# KiCad board IMXDesign.kicad_pcb (continued)
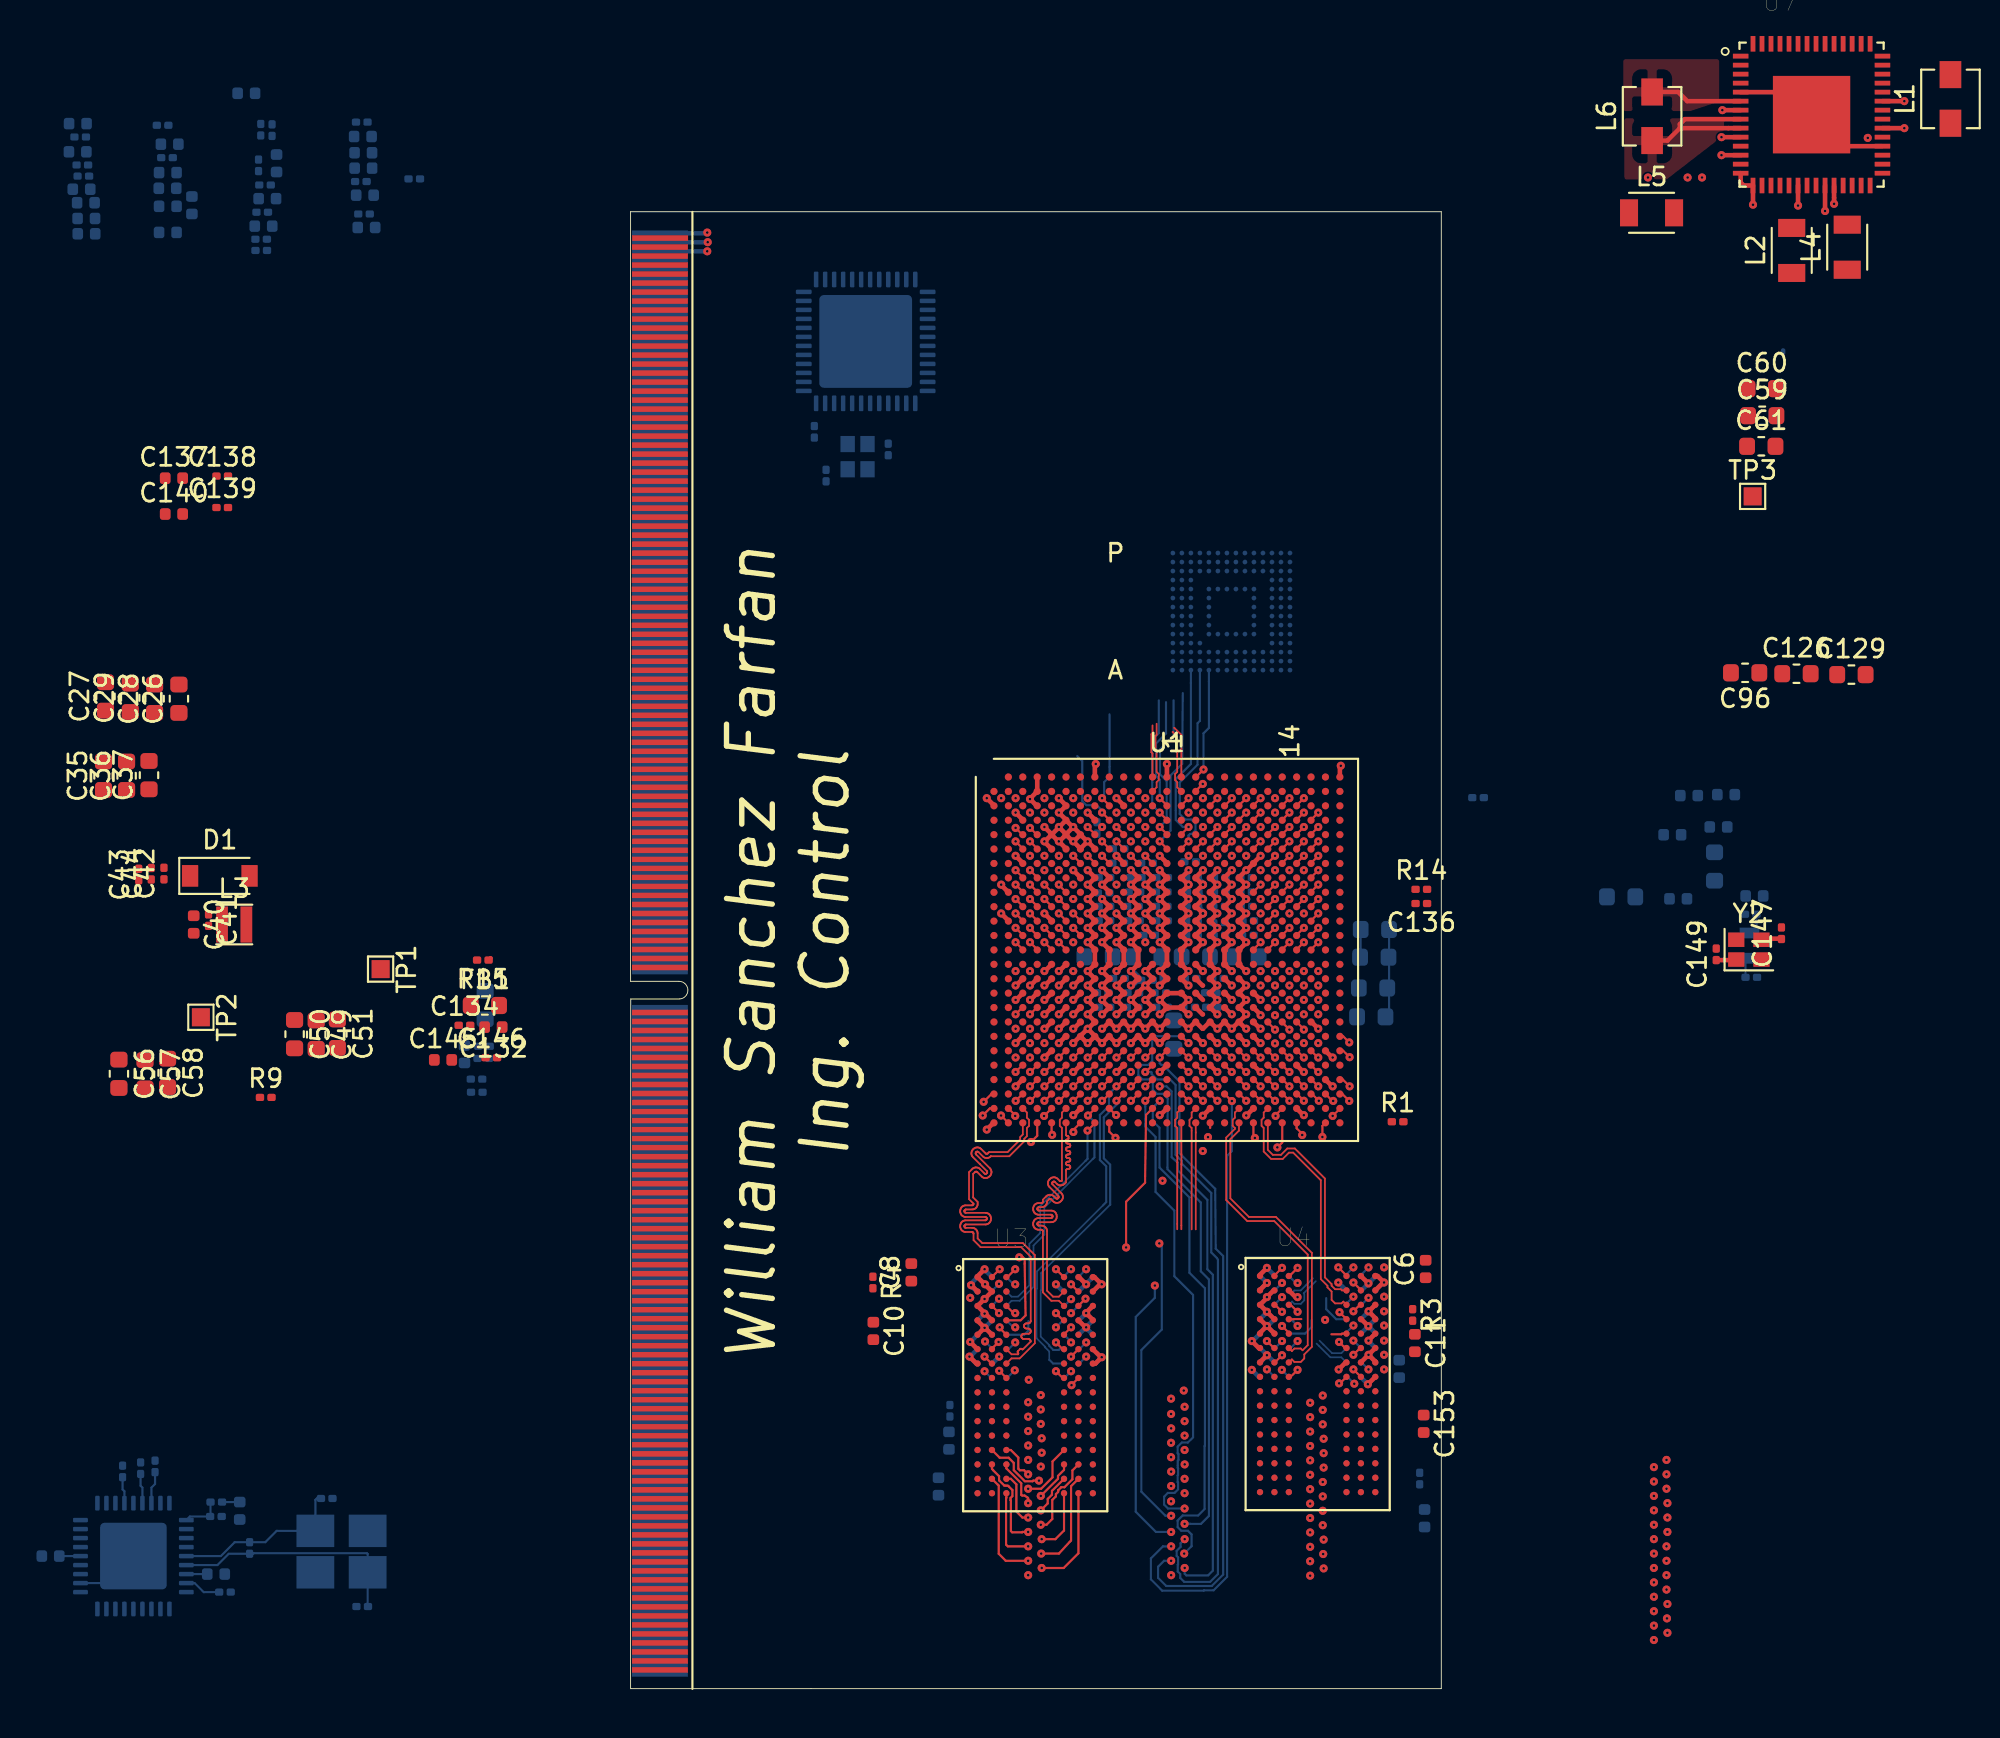
[diagram p0: board, top side]
## Routing (per net, layer and track width the routed paths; a pad name or vN(x,y) marks a point on that pad's centre or on a via; arc(x,y) is an arc through that point) (continued)
/DDR3_Memory/CPU_DDR3/DRAM_D33: length 26.7
  Top w0.119: v1(34.17,34.24) 34.14,34.24 U1.AA18 ; v1(40.12,17.72) 40.53,17.31 U4.H8
  In1.Cu w0.114: 34.82,32.16 35.06,31.92 35.06,31.47 34.98,31.39 34.98,31.24 34.95,31.21 34.38,31.21 33.58,30.41 33.58,29.3 33.02,28.68 33.02,28.45 32.67,28.1 32.67,21.9 33.3,21.28 33.3,19.57 34.32,18.55 34.72,18.55 35.07,18.89 35.08,18.89 36.38,18.89 37.5,17.77 37.52,17.76 37.52,17.74 37.53,17.72 37.53,17.7 37.52,17.68 37.52,17.66 37.49,17.62 37.48,17.61 37.48,17.59 37.48,17.56 37.48,17.54 37.49,17.53 37.5,17.51 37.67,17.34 37.69,17.32 37.71,17.32 37.73,17.31 37.75,17.31 37.77,17.32 37.79,17.32 37.82,17.35 37.84,17.36 37.86,17.36 37.88,17.36 37.9,17.36 37.92,17.35 37.94,17.34 39.73,17.34 v1(40.12,17.72) ; 34.3,33.05 34.32,33.06 33.99,33.06 33.79,33.26 33.79,33.62 34.07,33.91 34.16,33.91 34.17,33.92 v1(34.17,34.24)
  In1.Cu w0.119: 34.3,33.05 34.33,33.05 34.55,32.82 34.55,32.49 34.7,32.34 34.7,32.28 34.82,32.16
/DDR3_Memory/CPU_DDR3/DRAM_D34: length 26.6
  Top w0.114: U4.G2 35.76,18.11 v1(36.16,18.51)
  Top w0.119: U1.AC18 33.8,33.01 v1(34.17,32.64)
  In1.Cu w0.114: v1(34.17,32.64) 34.17,32.4 34.58,31.99 34.58,31.8 34.62,31.76 34.62,31.68 34.65,31.65 34.65,31.54 34.68,31.51 34.68,31.46 34.64,31.42 34.29,31.42 33.06,30.19 33.06,29.08 32.46,28.48 32.46,28.08 32.46,28.08 32.46,24.5 32.33,24.37 32.34,24.36 32.34,23.93 32.39,23.88 32.4,21.3 32.4,21.27 32.41,21.23 32.43,21.21 32.46,21.18 32.48,21.16 32.52,21.15 32.55,21.15 32.85,21.15 32.89,21.15 32.92,21.14 32.95,21.12 32.97,21.09 32.99,21.07 33,21.03 33,21 33,20.97 32.99,20.93 32.97,20.91 32.95,20.88 32.92,20.86 32.89,20.85 32.85,20.85 32.55,20.85 32.52,20.85 32.48,20.84 32.46,20.82 32.43,20.79 32.41,20.77 32.4,20.73 32.4,20.7 32.4,20.67 32.41,20.63 32.43,20.61 32.46,20.58 32.48,20.56 32.52,20.55 32.55,20.55 32.85,20.55 32.89,20.55 32.92,20.54 32.95,20.52 32.97,20.49 32.99,20.47 33,20.43 33,20.4 33,20.37 32.99,20.33 32.97,20.31 32.95,20.28 32.92,20.26 32.89,20.25 32.85,20.25 32.55,20.25 32.52,20.25 32.48,20.24 32.46,20.22 32.43,20.19 32.41,20.17 32.4,20.13 32.4,20.1 32.4,20.07 32.41,20.03 32.43,20.01 32.46,19.98 32.48,19.96 32.52,19.95 32.55,19.95 32.85,19.95 32.89,19.95 32.92,19.94 32.95,19.92 32.97,19.89 32.99,19.87 33,19.83 33,19.8 33,19.77 32.99,19.73 32.97,19.71 32.95,19.68 32.92,19.66 32.89,19.65 32.85,19.65 32.55,19.65 32.52,19.65 32.48,19.64 32.46,19.62 32.43,19.59 32.41,19.57 32.4,19.53 32.4,19.5 32.4,19.3 32.61,19.09 32.62,19.08 32.63,19.06 32.63,19.04 32.63,19.03 32.63,19.01 32.62,18.99 32.6,18.97 32.59,18.95 32.59,18.94 32.59,18.92 32.59,18.9 32.6,18.89 32.61,18.87 32.71,18.77 32.73,18.76 32.74,18.75 32.76,18.75 32.78,18.75 32.79,18.75 32.81,18.76 32.82,18.77 33.16,19.11 33.19,19.13 33.22,19.14 33.25,19.15 33.29,19.15 33.32,19.14 33.35,19.13 33.37,19.11 33.4,19.08 33.41,19.05 33.42,19.02 33.42,18.99 33.41,18.95 33.4,18.92 33.37,18.9 33.05,18.57 33.04,18.57 33.04,18.55 33.04,18.54 33.04,18.53 33.04,18.52 33.04,18.51 33.05,18.5 33.19,18.36 33.2,18.36 33.21,18.35 33.22,18.35 33.23,18.35 33.24,18.35 33.25,18.36 33.26,18.36 33.59,18.68 33.61,18.71 33.64,18.72 33.68,18.73 33.71,18.73 33.74,18.72 33.77,18.71 33.8,18.68 33.82,18.66 33.83,18.63 33.84,18.6 33.84,18.56 33.83,18.53 33.82,18.5 33.8,18.47 33.62,18.29 33.6,18.27 33.58,18.24 33.58,18.2 33.58,18.17 33.58,18.14 33.6,18.11 33.62,18.08 34.77,18.08 34.94,17.91 34.94,17.54 35.14,17.34 35.5,17.34 35.78,17.62 35.78,18.13 v1(36.16,18.51)
/DDR3_Memory/CPU_DDR3/DRAM_D35: length 25.2
  Top w0.119: U4.F8 40.49,18.91 v1(40.12,18.54) ; U1.AE19 34.57,30.66 v1(34.65,30.57)
  In1.Cu w0.114: v1(34.65,30.57) 34.43,30.35 34.43,29 33.6,28.18 33.6,27.9 33.62,27.88 33.6,22.72 33.6,22.7 33.59,22.69 33.58,22.67 33.57,22.66 33.56,22.65 33.54,22.65 33.51,22.64 33.49,22.64 33.48,22.63 33.47,22.62 33.46,22.6 33.45,22.59 33.45,22.57 33.45,22.49 33.45,22.48 33.46,22.46 33.47,22.45 33.48,22.43 33.49,22.43 33.51,22.42 33.53,22.42 33.84,22.42 33.86,22.42 33.89,22.41 33.91,22.39 33.93,22.37 33.94,22.35 33.95,22.33 33.95,22.3 33.95,22.28 33.94,22.25 33.93,22.23 33.91,22.21 33.89,22.2 33.86,22.19 33.84,22.19 33.71,22.19 33.69,22.19 33.66,22.18 33.64,22.16 33.62,22.15 33.61,22.12 33.6,22.1 33.6,22.07 34.17,21.5 34.17,21.33 34.17,21.31 34.17,21.3 34.16,21.28 34.15,21.27 34.13,21.26 34.12,21.26 34.08,21.25 34.07,21.25 34.05,21.24 34.04,21.23 34.03,21.21 34.03,21.2 34.03,21.18 34.03,21.1 34.03,21.08 34.03,21.07 34.04,21.05 34.05,21.04 34.07,21.03 34.08,21.03 34.1,21.03 34.28,21.03 34.3,21.02 34.32,21.02 34.34,21 34.35,20.99 34.37,20.97 34.37,20.95 34.38,20.93 34.38,20.9 34.37,20.87 34.37,20.85 34.35,20.83 34.34,20.82 34.32,20.81 34.3,20.8 34.25,20.79 34.23,20.79 34.21,20.77 34.2,20.76 34.18,20.74 34.18,20.72 34.17,20.7 34.18,20.67 34.19,20.65 34.2,20.63 34.22,20.61 34.24,20.59 34.26,20.59 34.29,20.58 34.41,20.58 34.44,20.58 34.46,20.57 34.48,20.56 34.5,20.54 34.51,20.52 34.52,20.49 34.53,20.47 34.52,20.44 34.51,20.42 34.5,20.4 34.48,20.38 34.46,20.36 34.44,20.36 34.41,20.35 34.12,20.35 34.11,20.35 34.1,20.35 34.09,20.34 34.09,20.33 34.08,20.33 34.08,20.31 34.08,20.3 34.08,20.18 34.08,20.16 34.08,20.15 34.09,20.14 34.09,20.14 34.1,20.13 34.11,20.13 34.14,20.12 34.15,20.12 34.16,20.11 34.16,20.11 34.17,20.1 34.17,20.09 34.17,20.07 34.49,19.76 35.5,19.75 35.51,19.75 35.52,19.76 35.53,19.76 35.54,19.77 35.54,19.78 35.55,19.79 35.55,19.81 35.55,19.82 35.56,19.83 35.57,19.84 35.58,19.85 35.59,19.85 35.6,19.85 35.73,19.85 35.74,19.85 35.75,19.85 35.76,19.84 35.76,19.83 35.77,19.82 35.77,19.81 35.78,19.79 35.78,19.78 35.79,19.77 35.79,19.76 35.8,19.76 35.81,19.75 35.83,19.75 36.27,19.75 36.64,19.38 36.64,19.12 36.95,18.81 36.96,18.8 36.96,18.79 36.96,18.78 36.96,18.76 36.96,18.75 36.96,18.74 36.94,18.73 36.94,18.72 36.93,18.71 36.93,18.69 36.94,18.68 36.94,18.67 36.95,18.66 37.04,18.57 37.05,18.57 37.06,18.56 37.07,18.56 37.08,18.56 37.09,18.56 37.1,18.57 37.11,18.57 37.31,18.78 37.33,18.79 37.36,18.8 37.38,18.81 37.41,18.81 37.43,18.8 37.45,18.79 37.47,18.78 37.49,18.76 37.5,18.73 37.51,18.71 37.51,18.68 37.5,18.66 37.49,18.63 37.47,18.61 37.39,18.53 37.37,18.51 37.36,18.48 37.36,18.46 37.36,18.43 37.36,18.41 37.37,18.39 37.39,18.37 37.53,18.22 37.7,18.22 37.73,18.23 37.75,18.24 37.77,18.25 37.79,18.27 37.81,18.29 37.81,18.31 37.82,18.34 37.82,18.46 37.82,18.49 37.83,18.51 37.84,18.53 37.86,18.55 37.88,18.56 37.91,18.57 37.93,18.57 37.96,18.57 37.98,18.56 38,18.55 38.02,18.53 38.03,18.51 38.04,18.49 38.05,18.46 38.05,17.99 38.05,17.96 38.06,17.94 38.07,17.92 38.09,17.9 38.11,17.89 38.14,17.88 38.16,17.88 38.19,17.88 38.21,17.89 38.23,17.9 38.25,17.92 38.26,17.94 38.27,17.96 38.27,17.99 38.27,18.46 38.28,18.49 38.29,18.51 38.3,18.53 38.32,18.55 38.34,18.56 38.36,18.57 38.39,18.57 38.41,18.57 38.44,18.56 38.46,18.55 38.48,18.53 38.49,18.51 38.5,18.49 38.5,18.46 38.5,17.99 38.51,17.96 38.51,17.94 38.53,17.92 38.55,17.9 38.57,17.89 38.59,17.88 38.62,17.88 38.64,17.88 38.67,17.89 38.69,17.9 38.71,17.92 38.72,17.94 38.73,17.96 38.73,17.99 38.73,18.46 38.73,18.49 38.74,18.51 38.76,18.53 38.78,18.55 38.8,18.56 38.82,18.57 38.85,18.57 38.87,18.57 38.9,18.56 38.92,18.55 38.94,18.53 38.95,18.51 38.96,18.49 38.96,18.46 38.96,18.34 38.96,18.31 38.97,18.29 38.99,18.27 39,18.25 39.03,18.24 39.05,18.23 39.08,18.22 39.39,18.54 v1(40.12,18.54)
/DDR3_Memory/CPU_DDR3/DRAM_D36: length 26.6
  Top w0.119: U4.H7 39.38,16.95 v1(39.33,16.95) ; U1.Y17 33.34,35.04 v1(33.37,35.04)
  In1.Cu w0.114: v1(33.37,35.04) 32.95,34.62 32.96,34.03 32.95,34.02 32.91,32.06 32.91,31.66 32.66,31.41 32.66,31.04 32.46,30.84 32.46,29.2 32.17,28.91 32.16,28.91 31.99,28.74 ; 31.72,26.45 31.71,18.87 31.79,18.79 33.8,16.73 39.1,16.73 v1(39.33,16.95)
  In1.Cu w0.119: 31.99,28.74 31.96,26.96 31.72,26.72 31.72,26.45
/DDR3_Memory/CPU_DDR3/DRAM_D37: length 28.8
  Top w0.114: v1(37.02,17.7) 36.63,17.31 U4.H3
  Top w0.119: v1(34.17,35.04) 34.14,35.04 U1.Y18 ; U4.H3 36.54,17.32
  In1.Cu w0.114: v1(34.17,35.04) 34.17,34.81 33.75,34.39 33.75,33.97 ; 32.18,26.76 32.2,26.78 32.2,28.33 ; 33.25,31.63 33.25,31.45 ; 33.25,31.63 33.25,31.33 32.85,30.93 32.85,29.17 32.22,28.55 32.22,28.34 32.21,28.33 32.2,28.33 ; 33.25,31.63 33.25,31.81 33.76,32.32 33.76,32.81 33.56,33.01 33.56,33.7 33.75,33.89 33.75,33.97 ; 32.2,28.33 32.2,28.37 ; 33.75,33.97 33.75,33.89 ; v1(37.02,17.7) 36.42,17.1 35.78,17.1 33.88,17.1 33.62,17.35 33.62,17.36 33.61,17.37 33.61,17.38 33.61,17.39 33.61,17.4 33.62,17.41 33.63,17.43 33.64,17.44 33.64,17.45 33.64,17.46 33.64,17.47 33.63,17.48 33.62,17.49 33.53,17.58 33.53,17.59 33.52,17.59 33.5,17.6 33.49,17.6 33.48,17.59 33.47,17.59 33.45,17.58 33.44,17.57 33.43,17.57 33.42,17.57 33.41,17.57 33.4,17.58 33.39,17.58 33.3,17.67 33.29,17.68 33.29,17.69 33.29,17.7 33.29,17.71 33.29,17.73 33.29,17.74 33.31,17.75 33.31,17.76 33.32,17.77 33.32,17.78 33.31,17.8 33.31,17.81 33.3,17.81 33.21,17.91 33.2,17.91 33.19,17.92 33.18,17.92 33.17,17.92 33.16,17.92 33.15,17.91 33.13,17.9 33.12,17.89 33.11,17.89 33.1,17.89 33.09,17.89 33.08,17.9 33.07,17.91 32.98,18 32.97,18.01 32.97,18.02 32.96,18.03 32.96,18.04 32.97,18.05 32.97,18.06 32.99,18.08 32.99,18.09 32.99,18.1 32.99,18.11 32.99,18.12 32.99,18.13 32.98,18.14 32.89,18.23 32.88,18.24 32.87,18.24 32.86,18.24 32.85,18.24 32.84,18.24 32.83,18.24 32.81,18.22 32.8,18.22 32.79,18.21 32.78,18.21 32.76,18.22 32.75,18.22 32.75,18.23 32.66,18.32 32.65,18.33 32.64,18.34 32.64,18.35 32.64,18.36 32.64,18.37 32.65,18.38 32.66,18.4 32.67,18.41 32.67,18.42 32.67,18.43 32.67,18.44 32.66,18.45 32.66,18.46 32.56,18.55 32.56,18.56 32.55,18.56 32.53,18.57 32.52,18.57 32.51,18.56 32.5,18.56 32.48,18.55 32.47,18.54 32.46,18.54 32.45,18.54 32.44,18.54 32.43,18.55 32.42,18.55 32.03,18.95 32.03,18.96 32.03,18.97 32.04,18.98 32.04,18.99 32.05,19 32.06,19 32.09,19 32.1,19 32.11,19.01 32.11,19.02 32.12,19.03 32.12,19.04 32.12,19.05 32.12,19.18 32.12,19.19 32.12,19.2 32.11,19.21 32.11,19.22 32.1,19.22 32.09,19.23 32.08,19.23 31.97,19.23 31.96,19.23 31.95,19.23 31.94,19.24 31.94,19.25 31.93,19.26 31.93,19.27 31.92,19.28 31.92,19.41 31.93,19.42 31.93,19.43 31.94,19.44 31.94,19.45 31.95,19.45 31.96,19.46 31.97,19.46 32.08,19.46 32.09,19.46 32.1,19.46 32.11,19.47 32.11,19.48 32.12,19.49 32.12,19.5 32.12,19.51 32.12,19.64 32.12,19.65 32.12,19.66 32.11,19.67 32.11,19.67 32.1,19.68 32.09,19.68 32.08,19.69 31.97,19.69 31.96,19.69 31.95,19.69 31.94,19.7 31.94,19.7 31.93,19.71 31.93,19.72 31.92,19.74 31.92,19.86 31.93,19.88 31.93,19.89 31.94,19.9 31.94,19.9 31.95,19.91 31.96,19.91 31.97,19.91 32.08,19.91 32.09,19.92 32.1,19.92 32.11,19.93 32.11,19.93 32.12,19.94 32.12,19.95 32.12,19.96 32.12,20.09 32.12,20.1 32.12,20.11 32.11,20.12 32.11,20.13 32.1,20.14 32.09,20.14 32.08,20.14 31.97,20.14 31.96,20.14 31.95,20.15 31.94,20.15 31.94,20.16 31.93,20.17 31.93,20.18 31.92,20.19 31.92,20.32 31.93,20.33 31.93,20.34 31.94,20.35 31.94,20.36 31.95,20.37 31.96,20.37 31.97,20.37 32.08,20.37 32.09,20.37 32.1,20.38 32.11,20.38 32.11,20.39 32.12,20.4 32.12,20.41 32.12,20.42 32.12,20.55 32.12,20.56 32.12,20.57 32.11,20.58 32.11,20.59 32.1,20.6 32.09,20.6 32.08,20.6 31.97,20.6 31.96,20.6 31.95,20.61 31.94,20.61 31.94,20.62 31.93,20.63 31.93,20.64 31.92,20.65 31.92,20.78 31.93,20.79 31.93,20.8 31.94,20.81 31.94,20.82 31.95,20.82 31.96,20.83 31.97,20.83 32.08,20.83 32.09,20.83 32.1,20.83 32.11,20.84 32.11,20.85 32.12,20.86 32.12,20.87 32.12,20.88 32.12,21.01 32.12,21.02 32.12,21.03 32.11,21.04 32.11,21.05 32.1,21.05 32.09,21.06 32.08,21.06 31.97,21.06 31.96,21.06 31.95,21.06 31.94,21.07 31.94,21.08 31.93,21.09 31.93,21.1 31.92,21.11 31.92,21.24 31.93,21.25 31.93,21.26 31.94,21.27 31.94,21.28 31.95,21.28 31.96,21.28 31.97,21.29 32.08,21.29 32.09,21.29 32.1,21.29 32.11,21.3 32.11,21.3 32.12,21.31 32.12,21.32 32.12,21.34 32.12,21.46 32.12,21.48 32.12,21.49 32.11,21.5 32.11,21.5 32.1,21.51 32.09,21.51 32.08,21.51 31.97,21.51 31.96,21.52 31.95,21.52 31.94,21.53 31.94,21.53 31.93,21.54 31.93,21.55 31.92,21.56 31.92,21.69 31.93,21.7 31.93,21.71 31.94,21.72 31.94,21.73 31.95,21.74 31.96,21.74 31.97,21.74 32.08,21.74 32.09,21.74 32.1,21.75 32.11,21.75 32.11,21.76 32.12,21.77 32.12,21.78 32.12,21.79 32.12,21.92 32.12,21.93 32.12,21.94 32.11,21.95 32.11,21.96 32.1,21.97 32.09,21.97 32.08,21.97 31.97,21.97 31.96,21.97 31.95,21.98 31.94,21.98 31.94,21.99 31.93,22 31.93,22.01 31.92,22.02 31.92,22.15 31.93,22.16 31.93,22.17 31.94,22.18 31.94,22.19 31.95,22.2 31.96,22.2 31.97,22.2 32.08,22.2 32.09,22.2 32.1,22.21 32.11,22.21 32.11,22.22 32.12,22.23 32.12,22.24 32.12,22.25 32.12,22.38 32.12,22.39 32.12,22.4 32.11,22.41 32.11,22.42 32.1,22.42 32.09,22.43 32.08,22.43 31.97,22.43 31.96,22.43 31.95,22.43 31.94,22.44 31.94,22.45 31.93,22.46 31.93,22.47 31.92,22.48 31.92,22.61 31.93,22.62 31.93,22.63 31.94,22.64 31.94,22.65 31.95,22.65 31.96,22.66 31.97,22.66 32.08,22.66 32.09,22.66 32.1,22.66 32.11,22.67 32.11,22.68 32.12,22.69 32.12,22.7 32.12,22.71 32.12,22.84 32.12,22.85 32.12,22.86 32.11,22.87 32.11,22.88 32.1,22.88 32.09,22.88 32.08,22.89 31.97,22.89 31.96,22.89 31.95,22.89 31.94,22.9 31.94,22.91 31.93,22.91 31.93,22.93 31.92,22.94 31.92,23.06 31.93,23.08 31.93,23.09 31.94,23.1 31.94,23.1 31.95,23.11 31.96,23.11 31.97,23.11 32.08,23.11 32.09,23.12 32.1,23.12 32.11,23.13 32.11,23.13 32.12,23.14 32.12,23.15 32.12,23.16 32.12,23.29 32.12,23.3 32.12,23.32 32.11,23.32 32.11,23.33 32.1,23.34 32.09,23.34 32.08,23.34 31.97,23.34 31.96,23.34 31.95,23.35 31.94,23.35 31.94,23.36 31.93,23.37 31.93,23.38 31.92,23.39 31.92,23.52 31.93,23.53 31.93,23.54 31.94,23.55 31.94,23.56 31.95,23.57 31.96,23.57 31.97,23.57 32.08,23.57 32.09,23.57 32.1,23.58 32.11,23.58 32.11,23.59 32.12,23.6 32.12,23.61 32.12,23.62 32.12,23.75 32.12,23.76 32.12,23.77 32.11,23.78 32.11,23.79 32.1,23.8 32.09,23.8 32.08,23.8 31.97,23.8 31.96,23.8 31.95,23.81 31.94,23.81 31.94,23.82 31.93,23.83 31.93,23.84 31.92,23.85 31.92,23.98 31.93,23.99 31.93,24 31.94,24.01 31.94,24.02 31.95,24.02 31.96,24.03 31.97,24.03 32.08,24.03 32.09,24.03 32.1,24.03 32.11,24.04 32.11,24.05 32.12,24.06 32.12,24.07 32.12,24.08 32.12,24.21 32.12,24.22 32.12,24.23 32.11,24.24 32.11,24.25 32.1,24.25 32.09,24.26 32.08,24.26 31.97,24.26 31.96,24.26 31.95,24.26 31.94,24.27 31.94,24.28 31.93,24.29 31.93,24.3 31.92,24.31 31.92,24.44 31.93,24.45 31.93,24.46 31.94,24.47 31.94,24.48 31.95,24.48 31.96,24.49 31.99,24.49 32,24.49 32.01,24.5 32.01,24.51 32.02,24.51 32.02,24.53 32.03,24.54 32.03,26.6
  In1.Cu w0.119: 32.18,26.76 32.18,26.76 32.03,26.6
/DDR3_Memory/CPU_DDR3/DRAM_D38: length 25.8
  Top w0.119: 39.7,18.91 U4.F7 39.66,18.91 v1(39.33,19.25) ; v1(34.97,33.44) 34.59,33.81 U1.AB19
  In1.Cu w0.114: v1(39.33,19.25) 39.1,19.03 38.72,19.03 37.99,19.76 37.67,19.76 37.65,19.76 37.64,19.76 37.62,19.77 37.61,19.78 37.6,19.8 37.6,19.81 37.59,19.85 37.59,19.86 37.58,19.88 37.57,19.89 37.55,19.9 37.54,19.9 37.52,19.9 37.44,19.9 37.42,19.9 37.41,19.9 37.39,19.89 37.38,19.88 37.37,19.86 37.37,19.85 37.37,19.83 37.37,19.71 37.37,19.69 37.36,19.68 37.36,19.67 37.35,19.67 37.34,19.66 37.33,19.66 37.32,19.66 37.19,19.66 37.18,19.66 37.17,19.66 37.16,19.67 37.15,19.67 37.14,19.68 37.14,19.69 37.14,19.72 37.13,19.73 37.13,19.74 37.12,19.74 37.11,19.75 37.1,19.75 37.09,19.76 36.84,19.76 36.54,20.05 36.54,20.31 36.31,20.54 35.97,20.54 35.7,20.82 35.7,21.11 35.45,21.36 35.14,21.36 34.75,21.74 34.75,22.09 34.75,22.11 34.76,22.13 34.77,22.14 34.78,22.15 34.79,22.16 34.81,22.17 34.84,22.17 34.86,22.18 34.87,22.18 34.88,22.2 34.89,22.21 34.9,22.23 34.9,22.24 34.9,22.32 34.9,22.34 34.89,22.35 34.88,22.37 34.87,22.38 34.86,22.39 34.84,22.39 34.82,22.4 34.75,22.4 34.75,22.4 34.68,22.4 34.66,22.4 34.64,22.4 34.63,22.41 34.62,22.43 34.61,22.44 34.6,22.45 34.6,22.47 34.6,22.55 34.6,22.57 34.61,22.58 34.62,22.6 34.63,22.61 34.64,22.62 34.66,22.62 34.69,22.63 34.71,22.63 34.72,22.64 34.73,22.65 34.74,22.67 34.75,22.68 34.75,22.7 34.45,23 34.45,23.2 34.45,23.21 34.45,23.22 34.44,23.23 34.43,23.24 34.42,23.25 34.41,23.25 34.39,23.25 34.38,23.26 34.37,23.26 34.36,23.27 34.35,23.28 34.35,23.29 34.35,23.3 34.35,23.43 34.35,23.44 34.35,23.45 34.36,23.46 34.37,23.47 34.38,23.48 34.39,23.48 34.4,23.48 34.52,23.48 34.54,23.48 34.56,23.49 34.57,23.5 34.58,23.51 34.59,23.52 34.6,23.54 34.6,23.56 34.6,23.64 34.6,23.65 34.59,23.67 34.58,23.68 34.57,23.69 34.56,23.7 34.54,23.71 34.52,23.71 34.4,23.71 34.39,23.71 34.38,23.71 34.37,23.72 34.36,23.73 34.35,23.74 34.35,23.75 34.35,23.76 34.35,23.89 34.35,23.9 34.35,23.91 34.36,23.92 34.37,23.93 34.38,23.93 34.39,23.94 34.4,23.94 34.52,23.94 34.54,23.94 34.56,23.95 34.57,23.95 34.58,23.97 34.59,23.98 34.6,24 34.6,24.01 34.6,24.09 34.6,24.11 34.59,24.13 34.58,24.14 34.57,24.15 34.56,24.16 34.54,24.17 34.52,24.17 34.4,24.17 34.39,24.17 34.38,24.17 34.37,24.18 34.36,24.19 34.35,24.2 34.35,24.21 34.35,24.22 34.35,24.35 34.35,24.36 34.35,24.37 34.36,24.38 34.37,24.38 34.38,24.39 34.39,24.39 34.4,24.4 34.52,24.4 34.54,24.4 34.56,24.4 34.57,24.41 34.58,24.42 34.59,24.44 34.6,24.45 34.6,24.47 34.6,24.55 34.6,24.57 34.59,24.58 34.58,24.6 34.57,24.61 34.56,24.62 34.54,24.62 34.52,24.62 34.4,24.62 34.39,24.63 34.38,24.63 34.37,24.64 34.36,24.64 34.35,24.65 34.35,24.66 34.35,24.67 34.35,24.8 34.35,24.81 34.35,24.82 34.36,24.83 34.37,24.84 34.38,24.85 34.39,24.85 34.4,24.85 34.52,24.85 34.54,24.85 34.56,24.86 34.57,24.87 34.58,24.88 34.59,24.89 34.6,24.91 34.6,24.93 34.6,25.01 34.6,25.02 34.59,25.04 34.58,25.05 34.57,25.07 34.56,25.07 34.54,25.08 34.52,25.08 34.4,25.08 34.39,25.08 34.38,25.09 34.37,25.09 34.36,25.1 34.35,25.11 34.35,25.12 34.35,25.13 34.35,25.26 34.35,25.27 34.35,25.28 34.36,25.29 34.37,25.3 34.38,25.31 34.39,25.31 34.4,25.31 34.52,25.31 34.54,25.31 34.56,25.32 34.57,25.33 34.58,25.34 34.59,25.35 34.6,25.37 34.6,25.38 34.6,25.46 34.6,25.48 34.59,25.5 34.58,25.51 34.57,25.52 34.56,25.53 34.54,25.54 34.52,25.54 34.4,25.54 34.39,25.54 34.38,25.54 34.37,25.55 34.36,25.56 34.35,25.57 34.35,25.58 34.35,25.59 34.35,25.72 34.35,25.73 34.35,25.74 34.36,25.75 34.37,25.76 34.38,25.76 34.39,25.77 34.4,25.77 34.52,25.77 34.54,25.77 34.56,25.77 34.57,25.78 34.58,25.8 34.59,25.81 34.6,25.83 34.6,25.84 34.6,25.92 34.6,25.94 34.59,25.95 34.58,25.97 34.57,25.98 34.56,25.99 34.54,25.99 34.52,26 34.4,26 34.39,26 34.38,26 34.37,26.01 34.36,26.01 34.35,26.02 34.35,26.03 34.35,26.05 34.35,26.17 34.35,26.19 34.35,26.2 34.36,26.21 34.37,26.21 34.38,26.22 34.39,26.22 34.4,26.22 34.52,26.22 34.54,26.23 34.56,26.23 34.57,26.24 34.58,26.25 34.59,26.27 34.6,26.28 34.6,26.3 34.6,26.38 34.6,26.4 34.59,26.41 34.58,26.43 34.57,26.44 34.56,26.45 34.54,26.45 34.52,26.45 34.4,26.45 34.39,26.45 34.38,26.46 34.37,26.46 34.36,26.47 34.35,26.48 34.35,26.49 34.35,26.5 34.35,26.63 34.35,26.64 34.35,26.65 34.36,26.66 34.37,26.67 34.38,26.68 34.39,26.68 34.4,26.68 34.52,26.68 34.54,26.68 34.56,26.69 34.57,26.7 34.58,26.71 34.59,26.72 34.6,26.74 34.6,26.76 34.6,26.84 34.6,26.85 34.59,26.87 34.58,26.88 34.57,26.89 34.56,26.9 34.54,26.91 34.52,26.91 34.4,26.91 34.39,26.91 34.38,26.92 34.37,26.92 34.36,26.93 34.35,26.94 34.35,26.95 34.35,26.96 34.35,27.09 34.35,27.1 34.35,27.11 34.36,27.12 34.37,27.13 34.38,27.13 34.39,27.14 34.4,27.14 34.52,27.14 34.54,27.14 34.56,27.15 34.57,27.16 34.58,27.17 34.59,27.18 34.6,27.2 34.6,27.21 34.6,27.29 34.6,27.31 34.59,27.33 34.58,27.34 34.57,27.35 34.56,27.36 34.54,27.37 34.52,27.37 34.4,27.37 34.39,27.37 34.38,27.37 34.37,27.38 34.36,27.39 34.35,27.4 34.35,27.41 34.35,27.42 34.35,27.55 34.35,27.56 34.35,27.57 34.36,27.58 34.37,27.59 34.38,27.59 34.39,27.59 34.4,27.6 34.52,27.6 34.54,27.6 34.56,27.6 34.57,27.61 34.58,27.62 34.59,27.64 34.6,27.65 34.6,27.67 34.6,27.75 34.6,27.77 34.59,27.78 34.58,27.8 34.57,27.81 34.56,27.82 34.54,27.82 34.52,27.82 34.4,27.82 34.39,27.83 34.38,27.83 34.37,27.84 34.36,27.84 34.35,27.85 34.35,27.86 34.35,27.87 34.35,28 34.35,28.01 34.35,28.03 34.36,28.03 34.37,28.04 34.38,28.05 34.39,28.05 34.4,28.05 34.52,28.05 35.04,28.57 35.04,29.63 35.52,30.11 35.52,30.23 35.95,30.67 35.95,30.94 36.57,31.57 36.57,32.07 36.19,32.46 36.19,32.79 35.95,33.02 35.59,33.02 35.17,33.44 v1(34.97,33.44) 35.04,33.44
/DDR3_Memory/CPU_DDR3/DRAM_D39: length 24.8
  Top w0.119: v1(34.97,32.64) 34.59,33.01 U1.AC19 ; v1(35.32,19.3) 35.71,18.91 U4.F2
  In1.Cu w0.114: 34.96,30.96 35.12,30.96 35.37,31.21 35.37,31.92 34.97,32.32 ; v1(35.32,19.3) 35.05,19.3 34.67,18.92 34.3,18.92 33.78,19.44 33.78,20.38 33.78,20.39 33.78,20.41 33.79,20.42 33.8,20.43 33.82,20.44 33.83,20.45 33.87,20.45 33.88,20.46 33.9,20.47 33.91,20.48 33.92,20.49 33.92,20.51 33.92,20.53 33.92,20.6 33.92,20.62 33.92,20.64 33.91,20.65 33.9,20.66 33.88,20.67 33.87,20.68 33.85,20.68 33.7,20.68 33.68,20.68 33.67,20.69 33.65,20.69 33.64,20.71 33.63,20.72 33.63,20.74 33.62,20.75 33.62,20.83 33.63,20.85 33.63,20.86 33.64,20.88 33.65,20.89 33.67,20.9 33.68,20.91 33.72,20.91 33.73,20.91 33.75,20.92 33.76,20.94 33.77,20.95 33.77,20.97 33.78,20.98 33.78,21.18 33.63,21.32 33.62,21.33 33.62,21.34 33.61,21.36 33.61,21.38 33.62,21.39 33.62,21.41 33.64,21.44 33.65,21.45 33.66,21.47 33.66,21.48 33.65,21.5 33.64,21.52 33.63,21.53 33.58,21.58 33.56,21.59 33.55,21.6 33.53,21.61 33.52,21.61 33.5,21.6 33.49,21.59 33.46,21.57 33.44,21.57 33.43,21.56 33.41,21.56 33.39,21.57 33.38,21.57 33.37,21.58 33.08,21.88 33.08,21.93 33.08,21.94 33.08,21.96 33.09,21.97 33.1,21.98 33.12,21.99 33.13,22 33.17,22 33.18,22.01 33.2,22.02 33.21,22.03 33.22,22.04 33.22,22.06 33.22,22.07 33.22,22.15 33.22,22.17 33.22,22.19 33.21,22.2 33.2,22.21 33.18,22.22 33.17,22.23 33.15,22.23 33,22.23 32.98,22.23 32.97,22.24 32.95,22.24 32.94,22.26 32.93,22.27 32.93,22.29 32.92,22.3 32.92,22.38 32.93,22.4 32.93,22.41 32.94,22.43 32.95,22.44 32.97,22.45 32.98,22.46 33,22.46 33.15,22.46 33.17,22.46 33.18,22.46 33.2,22.47 33.21,22.49 33.22,22.5 33.22,22.52 33.22,22.53 33.22,22.61 33.22,22.63 33.22,22.64 33.21,22.66 33.2,22.67 33.18,22.68 33.17,22.68 33.15,22.69 33,22.69 32.98,22.69 32.97,22.69 32.95,22.7 32.94,22.71 32.93,22.73 32.93,22.74 32.92,22.76 32.92,22.84 32.93,22.86 32.93,22.87 32.94,22.89 32.95,22.9 32.97,22.91 32.98,22.91 33,22.91 33.15,22.91 33.17,22.92 33.18,22.92 33.2,22.93 33.21,22.94 33.22,22.96 33.22,22.97 33.22,22.99 33.22,23.07 33.22,23.08 33.22,23.1 33.21,23.11 33.2,23.13 33.18,23.14 33.17,23.14 33.15,23.14 33,23.14 32.98,23.14 32.97,23.15 32.95,23.16 32.94,23.17 32.93,23.19 32.93,23.2 32.92,23.22 32.92,23.3 32.93,23.31 32.93,23.33 32.94,23.34 32.95,23.36 32.97,23.36 32.98,23.37 33,23.37 33.15,23.37 33.17,23.37 33.18,23.38 33.2,23.39 33.21,23.4 33.22,23.41 33.22,23.43 33.22,23.45 33.22,23.53 33.22,23.54 33.22,23.56 33.21,23.57 33.2,23.58 33.18,23.59 33.17,23.6 33.15,23.6 33,23.6 32.98,23.6 32.97,23.61 32.95,23.62 32.94,23.63 32.93,23.64 32.93,23.66 32.92,23.68 32.92,23.75 32.93,23.77 32.93,23.79 32.94,23.8 32.95,23.81 32.97,23.82 32.98,23.83 33,23.83 33.15,23.83 33.17,23.83 33.18,23.84 33.2,23.85 33.21,23.86 33.22,23.87 33.22,23.89 33.22,23.9 33.22,23.98 33.22,24 33.22,24.01 33.21,24.03 33.2,24.04 33.18,24.05 33.17,24.06 33.15,24.06 33,24.06 32.98,24.06 32.97,24.06 32.95,24.07 32.94,24.09 32.93,24.1 32.93,24.12 32.92,24.13 32.92,24.21 32.93,24.23 32.93,24.24 32.94,24.26 32.95,24.27 32.97,24.28 32.98,24.28 33,24.29 33.15,24.29 33.17,24.29 33.18,24.29 33.2,24.3 33.21,24.31 33.22,24.33 33.22,24.34 33.22,24.36 33.22,24.44 33.22,24.46 33.22,24.47 33.21,24.49 33.2,24.5 33.18,24.51 33.17,24.51 33.15,24.51 33,24.51 32.98,24.52 32.97,24.52 32.95,24.53 32.94,24.54 32.93,24.56 32.93,24.57 32.92,24.59 32.92,24.67 32.93,24.68 32.93,24.7 32.94,24.71 32.95,24.73 32.97,24.74 32.98,24.74 33,24.74 33.15,24.74 33.17,24.75 33.18,24.75 33.2,24.76 33.21,24.77 33.22,24.79 33.22,24.8 33.22,24.82 33.22,24.9 33.22,24.91 33.22,24.93 33.21,24.94 33.2,24.96 33.18,24.96 33.17,24.97 33.15,24.97 33,24.97 32.98,24.97 32.97,24.98 32.95,24.99 32.94,25 32.93,25.01 32.93,25.03 32.92,25.05 32.92,25.13 32.93,25.14 32.93,25.16 32.94,25.17 32.95,25.18 32.97,25.19 32.98,25.2 33,25.2 33.15,25.2 33.17,25.2 33.18,25.21 33.2,25.22 33.21,25.23 33.22,25.24 33.22,25.26 33.22,25.28 33.22,25.35 33.22,25.37 33.22,25.39 33.21,25.4 33.2,25.41 33.18,25.42 33.17,25.43 33.15,25.43 33,25.43 32.98,25.43 32.97,25.44 32.95,25.45 32.94,25.46 32.93,25.47 32.93,25.49 32.92,25.5 32.92,25.58 32.93,25.6 32.93,25.62 32.94,25.63 32.95,25.64 32.97,25.65 32.98,25.66 33,25.66 33.15,25.66 33.17,25.66 33.18,25.67 33.2,25.67 33.21,25.69 33.22,25.7 33.22,25.72 33.22,25.73 33.22,25.81 33.22,25.83 33.22,25.84 33.21,25.86 33.2,25.87 33.18,25.88 33.17,25.88 33.15,25.89 33,25.89 32.98,25.89 32.97,25.89 32.95,25.9 32.94,25.91 32.93,25.93 32.93,25.94 32.92,25.96 32.92,26.04 32.93,26.06 32.93,26.07 32.94,26.09 32.95,26.1 32.97,26.11 32.98,26.11 33,26.11 33.15,26.11 33.17,26.12 33.18,26.12 33.2,26.13 33.21,26.14 33.22,26.16 33.22,26.17 33.22,26.19 33.22,26.27 33.22,26.29 33.22,26.3 33.21,26.32 33.2,26.33 33.18,26.34 33.17,26.34 33.15,26.34 33,26.34 32.98,26.35 32.97,26.35 32.95,26.36 32.94,26.37 32.93,26.39 32.93,26.4 32.92,26.42 32.92,26.5 32.93,26.51 32.93,26.53 32.94,26.54 32.95,26.56 32.97,26.56 32.98,26.57 33,26.57 33.15,26.57 33.17,26.57 33.18,26.58 33.2,26.59 33.21,26.6 33.22,26.61 33.22,26.63 33.22,26.65 33.22,26.73 33.22,26.74 33.22,26.76 33.21,26.77 33.2,26.78 33.18,26.79 33.17,26.8 33.15,26.8 33,26.8 32.98,26.8 32.97,26.81 32.95,26.82 32.94,26.83 32.93,26.84 32.93,26.86 32.92,26.88 32.92,26.95 32.93,26.97 32.93,26.99 32.94,27 32.95,27.01 32.97,27.02 32.98,27.03 33,27.03 33.15,27.03 33.17,27.03 33.18,27.04 33.2,27.05 33.21,27.06 33.22,27.07 33.22,27.09 33.22,27.1 33.22,27.18 33.22,27.2 33.22,27.22 33.21,27.23 33.2,27.24 33.18,27.25 33.17,27.26 33.15,27.26 33,27.26 32.98,27.26 32.97,27.27 32.95,27.27 32.94,27.29 32.93,27.3 32.93,27.32 32.92,27.33 32.92,27.41 32.93,27.43 32.93,27.44 32.94,27.46 32.95,27.47 32.97,27.48 32.98,27.48 33,27.49 33.15,27.49 33.17,27.49 33.18,27.49 33.2,27.5 33.21,27.51 33.22,27.53 33.22,27.54 33.22,27.56 33.22,27.64 33.22,27.66 33.22,27.67 33.21,27.69 33.2,27.7 33.18,27.71 33.17,27.71 33.15,27.72 33,27.72 32.98,27.72 32.97,27.72 32.95,27.73 32.94,27.74 32.93,27.76 32.93,27.77 32.92,27.79 32.92,27.87 32.93,27.89 32.93,27.9 32.94,27.92 32.95,27.93 32.97,27.94 32.98,27.94 33,27.94 33.15,27.94 33.17,27.95 33.18,27.95 33.2,27.96 33.21,27.97 33.22,27.99 33.22,28 33.22,28.02 33.22,28.32 34.09,29.19 34.09,30.62 34.43,30.96 34.71,30.96